# Altium PCB 13th_motor - 完成.PcbDoc
Units mil, origin at the board's own origin, x right, y up, seen from the top; angles counter-clockwise.
Board outline 3425.2 x 2086.62 mil, 2 copper layers (Top Layer, Bottom Layer); 58 components, 42 nets, 176 pads, 45 vias.
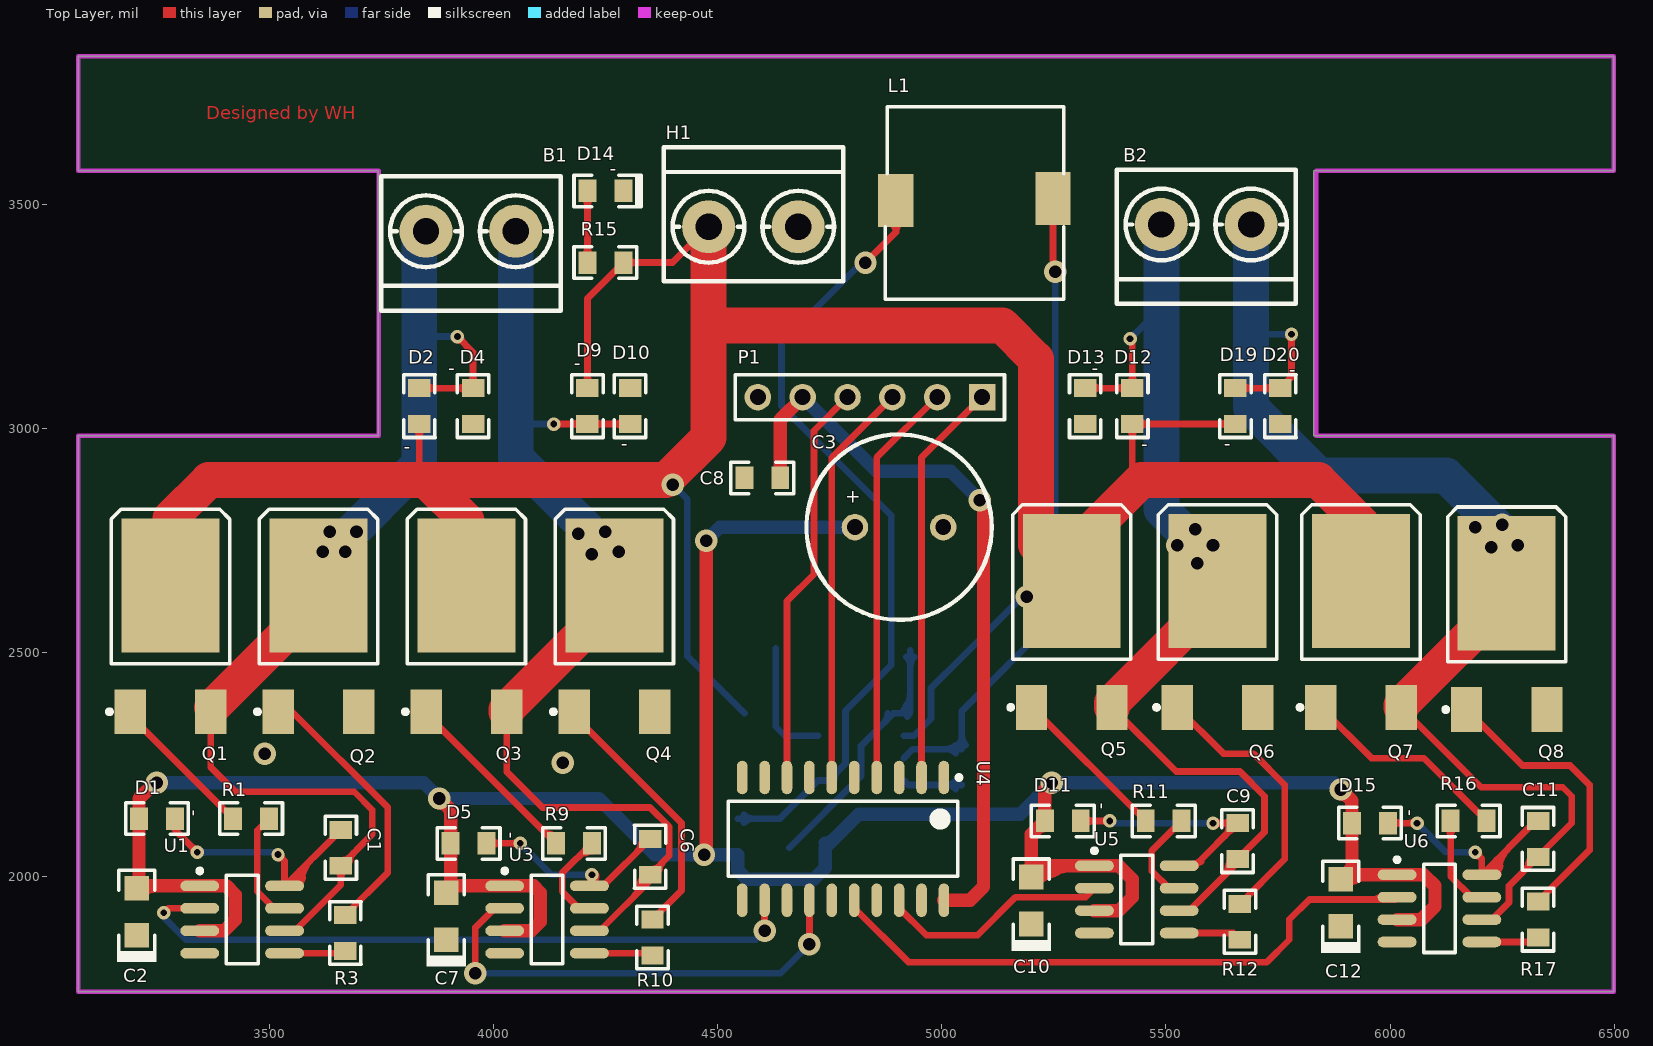
[diagram p0: Top Layer view]
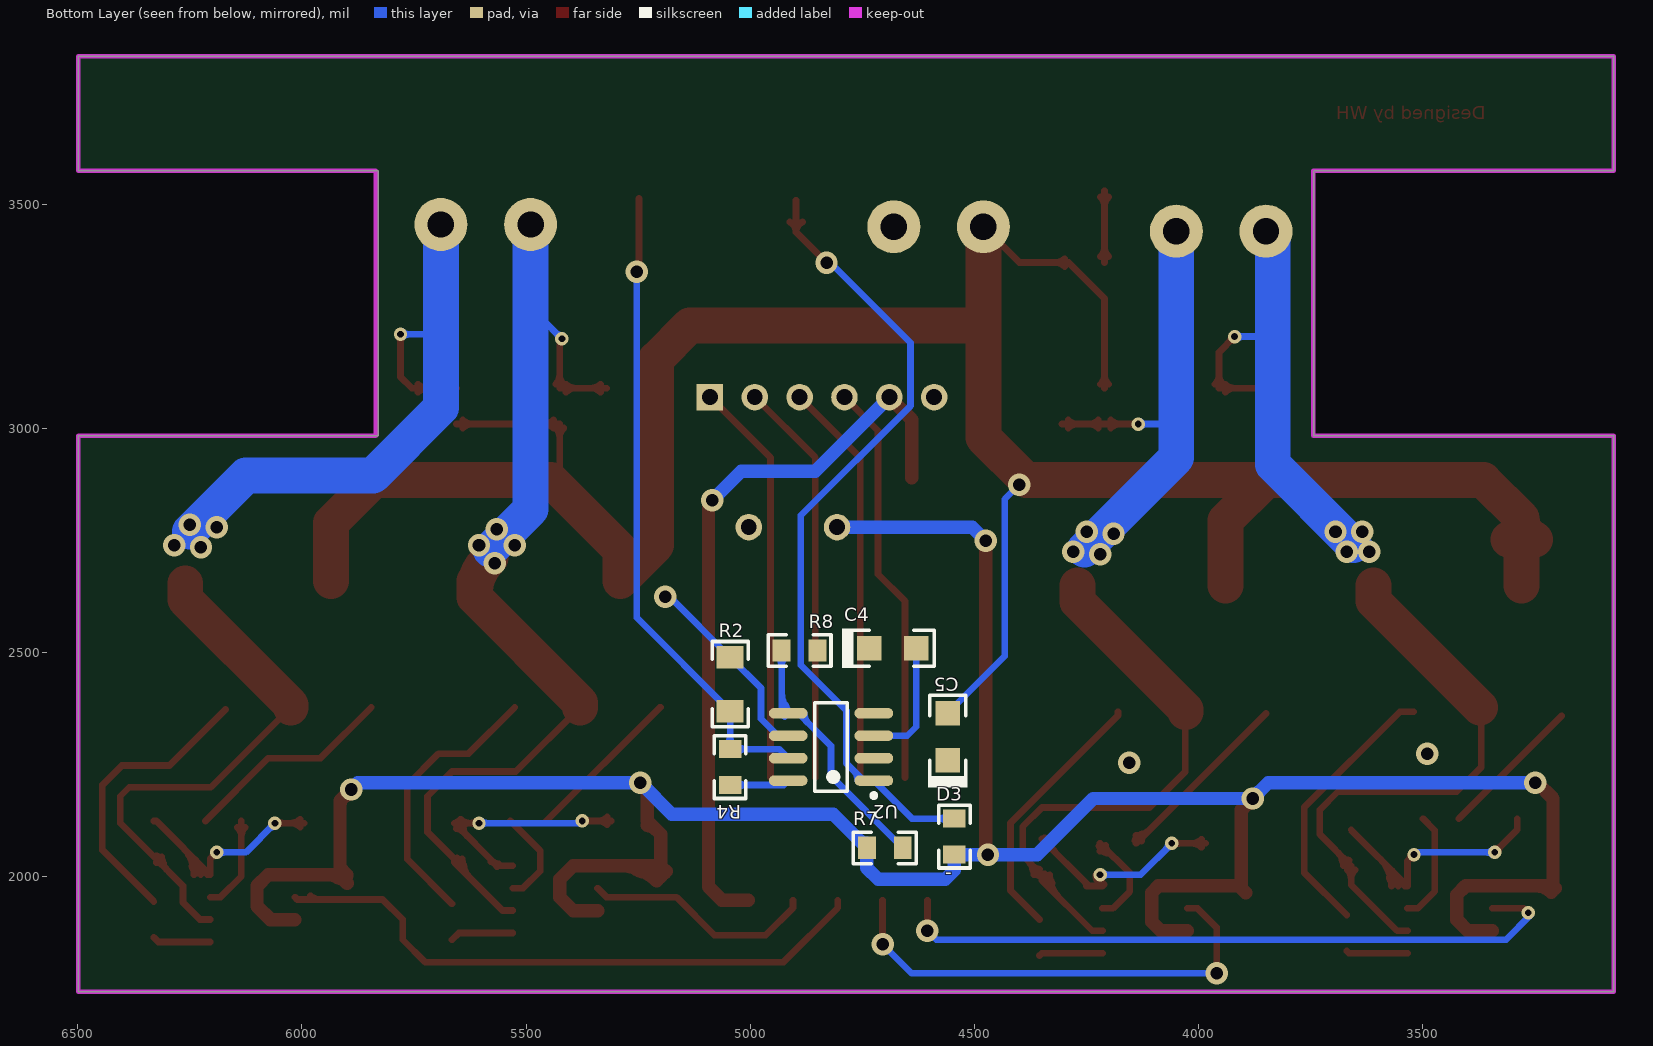
[diagram p1: Bottom Layer view, seen from below]

## Layer stack, top to bottom
Top Layer: signal copper 1.4
Dielectric: dielectric 12.6, FR-4, Dk 4.8
Bottom Layer: signal copper 1.4

## Board outline
3073.98,1744.11 3073.98,2984.26 3743.27,2984.26 3743.27,3574.82 3073.98,3574.82 3073.98,3830.72 6499.18,3830.72 6499.18,3574.82 5829.89,3574.82 5829.89,2984.26 6499.18,2984.26 6499.18,1744.11

## Design rules (kind name [scope] priority, off if disabled: settings)
Clearance [All] p1: gap=10
PolygonConnect [All] p1: connectstyle=Relief reliefconductorwidth=10 reliefentries=4 polygonreliefangle="90 Angle" airgapwidth=10
RoutingVias [All] p1: holewidth=28 width=50 viastyle="Through Hole" minholewidth=28 minwidth=50 maxholewidth=28 maxwidth=50
SolderMaskExpansion [All] p1: expansion=4
Width [All] p1: maxlimit=80 minlimit=15 preferedwidth=15 checkconnectedcopper=TRUE
28 further rules are at their usual default settings.

## Components (designator, comment, footprint, x,y, rotation, side; value= is the part's Value field where it differs from the comment)
B1 "Motor" KF301-2P 3950,3440 r270 top
B2 "Motor" KF301-2P 5590,3455 r270 top
C1 "Cap" 0805(2012) 3660,2065 r270 top
C2 "Cap Pol1" SOD-323(0805) 3205,1920 r270 top
C3 "Cap Pol1" RB5-10.5 4905,2780 r0 top
C4 "Cap Pol1" SOD-323(0805) 4685,2510 r0 bottom
C5 "Cap Pol1" SOD-323(0805) 4560,2310 r270 bottom
C6 "Cap" 0805(2012) 4350,2045 r270 top
C7 "Cap Pol1" SOD-323(0805) 3895,1910 r270 top
C8 "Cap" 0805(2012) 4600,2890 r0 top
C9 "Cap" 0805(2012) 5660,2080 r270 top
C10 "Cap Pol1" SOD-323(0805) 5200,1945 r270 top
C11 "Cap" 0805(2012) 6330,2085 r270 top
C12 "Cap Pol1" SOD-323(0805) 5890,1940 r270 top
D1 "1N5819" 0805(2012) 3250,2130 r180 top
D2 "1N5819" 0805(2012) 3835,3050 r90 top
D3 "1N5819" 0805(2012) 4545,2090 r90 bottom
D4 "1N5819" 0805(2012) 3955,3050 r270 top
D5 "1N5819" 0805(2012) 3945,2075 r180 top
D9 "1N5819" 0805(2012) 4210,3050 r270 top
D10 "1N5819" 0805(2012) 4305,3050 r90 top
D11 "1N5819" 0805(2012) 5270,2125 r180 top
D12 "1N5819" 0805(2012) 5425,3050 r90 top
D13 "1N5819" 0805(2012) 5320,3050 r270 top
D14 "RED" 0805LED 4250,3530 r0 top
D15 "1N5819" 0805(2012) 5955,2120 r180 top
D19 "1N5819" 0805(2012) 5655,3050 r90 top
D20 "1N5819" 0805(2012) 5755,3050 r270 top
H1 "POWER IN" KF301-2P 4580,3450 r90 top
L1 "Inductor" 电感10*12 5075,3505 r180 top
P1 "PWM" HDR1X6 5090,3070 r180 top
Q1 "IR7843" LR7843 3280,2510 r270 top
Q2 "IR7843" LR7843 3610,2510 r270 top
Q3 "IR7843" LR7843 3940,2510 r270 top
Q4 "IR7843" LR7843 4270,2510 r270 top
Q5 "IR7843" LR7843 5290,2520 r270 top
Q6 "IR7843" LR7843 5615,2520 r270 top
Q7 "IR7843" LR7843 5935,2520 r270 top
Q8 "IR7843" LR7843 6260,2515 r270 top
R1 "Res2" 0805(2012) 3460,2130 r180 top
R2 "Res2" 1206(3216) 5045,2430 r90 bottom
R3 "Res2" 0805(2012) 3670,1875 r90 top
R4 "Res2" 0805(2012) 5045,2245 r90 bottom
R7 "Res2" 0805(2012) 4700,2065 r180 bottom
R8 "Res2" 0805(2012) 4890,2505 r0 bottom
R9 "Res2" 0805(2012) 4180,2075 r180 top
R10 "Res2" 0805(2012) 4355,1865 r90 top
R11 "Res2" 0805(2012) 5495,2125 r180 top
R12 "Res2" 0805(2012) 5665,1900 r90 top
R15 "Res2" 0805(2012) 4250,3370 r180 top
R16 "Res2" 0805(2012) 6175,2125 r0 top
R17 "Res2" 0805(2012) 6330,1905 r90 top
U1 "IR2104  S" IR2104S 3440,1905 r0 top
U2 "MC34063" MC34063 4820,2290 r0 bottom
U3 "IR2104  S" IR2104S 4120,1905 r0 top
U4 "74ls244" 74ls244Da 4780,2085 r270 top
U5 "IR2104  S" IR2104S 5435,1950 r0 top
U6 "IR2104  S" IR2104S 6110,1930 r0 top

## Footprints (in the part's own frame and the unit in brackets; to place one, negate y for a bottom-side part, rotate by r counter-clockwise, add the part's x,y. Pads: shape width x height; smd on the part's side, far side on the other; paste and mask are expansions set on the pad)
74ls244Da [mm] "SOP, 20-Leads, Body 12.80x5.50mm, Pitch 1.27mm, IPC Medium Density"
  oval 1.9x0.6 smd: 1(-3.475,5.715) 2(-3.475,4.445) 3(-3.475,3.175) 4(-3.475,1.905) 5(-3.475,0.635) 6(-3.475,-0.635) 7(-3.475,-1.905) 8(-3.475,-3.175) 9(-3.475,-4.445) 10(-3.475,-5.715) 11(3.475,-5.715) 12(3.475,-4.445) 13(3.475,-3.175) 14(3.475,-1.905) 15(3.475,-0.635) 16(3.475,0.635) 17(3.475,1.905) 18(3.475,3.175) 19(3.475,4.445) 20(3.475,5.715)
  silkscreen extent -3.6,-6.5 2.13,6.69, body extent -2.8,-6.5 2.8,6.5, height 2.2
0805(2012) [mil]
  rect 40x50 smd: 1(-40,0) 2(40,0)
  silkscreen extent -70,-35 70,35
0805LED [mil]
  rect 40x50 smd: 1(-40,0) 2(40,0)
  silkscreen extent -70,-35 80,35
1206(3216) [mil]
  rect 50x60 smd: 1(-60,0) 2(60,0)
  silkscreen extent -95,-40 95,40
HDR1X6 [mm] "Connector; Header; 6 Position"
  rect 1.5x1.5 hole 0.9: 1(0,0)
  round 1.5 hole 0.9: 2(2.54,0) 3(5.08,0) 4(7.62,0) 5(10.16,0) 6(12.7,0)
  silkscreen extent -1.27,-1.27 13.97,1.27
IR2104S [mm]
  oval 2.2x0.6 smd: 1(-2.4,1.905) 2(-2.4,0.635) 3(-2.4,-0.635) 4(-2.4,-1.905) 5(2.4,-1.905) 6(2.4,-0.635) 7(2.4,0.635) 8(2.4,1.905)
  silkscreen extent -2.52,-2.5 0.9,2.88, body extent -2,-2.5 2,2.5, height 1.55
KF301-2P [mm]
  round 3 hole 1.5: 1(0,-2.54) 2(0,2.54)
  silkscreen extent -3.1,-5.08 4.5,5.08
LR7843 [mm]
  rect 2.54x1.778 smd: 1(3.6,-2.28) 3(3.6,2.28)
  rect 7.6x5.55 smd: 2(-3.556,0)
  silkscreen extent -7.87,-3.58 3.72,3.35
MC34063 [mm] "SOIC, 8-Leads, Body 4.90x3.90mm, Pitch 1.27mm, IPC Medium Density"
  oval 2.2x0.6 smd: 1(-2.425,1.905) 2(-2.425,0.635) 3(-2.425,-0.635) 4(-2.425,-1.905) 5(2.425,-1.905) 6(2.425,-0.635) 7(2.425,0.635) 8(2.425,1.905)
  silkscreen extent -2.55,-2.5 0.93,2.88, body extent -2,-2.5 2,2.5, height 1.5
RB5-10.5 [mm] "Capacitor (Radial); 2 Leads"
  round 1.5 hole 0.9: 1(-2.5,0) 2(2.5,0)
  silkscreen extent -5.25,-5.25 5.25,5.25
SOD-323(0805) [mil]
  rect 55x55 smd: 1(-55,0) 2(50,0)
  silkscreen extent -95,-44 110,44
电感10*12 [mm]
  rect 2x3 smd: 1(-4.4,-0.2) 2(4.5,-0.1)
  silkscreen extent -5,-5.4 5.1,5.5

## Part data
B1 B2: library part "Motor Servo", "Servo Motor"
C1 C6 C8 C9 C11: "Capacitor"
C2 C3 C4 C5 C7 C10 C12: "Polarized Capacitor (Radial)"
D1 D2 D3 D4 D5 D9 D10 D11 D12 D13 D15 D19 D20: library part 1N4148, "Silicon Epitaxial Planar Diode for Various Detector, Modulator, Demodulator"
D14: library part LED2, "Typical RED, GREEN, YELLOW, AMBER GaAs LED"
Q1 Q2 Q3 Q4 Q5 Q6 Q7 Q8: "N-Channel Power MOSFET"
R1 R2 R3 R4 R7 R8 R9 R10 R11 R12 R15 R16 R17: "Resistor"
U2: library part Component_1

## Via types
v1: diameter 50, hole 28, Top Layer to Bottom Layer, 32 vias
v2: diameter 30, hole 15, Top Layer to Bottom Layer, 13 vias

## Nets (pads, with @x,y where several pads share a name; then routed paths per layer and width w, separated by ;. In a path a pad name is that pad's centre, name@x,y a point inside that pad or via, vN(x,y) a via of type N, cw(c..) or ccw(c..) an arc to the next point about the centre after c; other vN are vias at no path point)
5V: C8.2 P1.5 U4.20 | length 1666.8
  Top Layer w30: C8.2 4640,3020 P1.5 ; U4.20 5063.19,1948.19 5093.19,1978.19 5093.19,2841.81 5090,2845 v1(5085,2840)
  Bottom Layer w30: P1.5 4855,2905 5020,2905 v1(5085,2840)
12V: C2.1 C3.1 C7.1 C10.1 C12.1 D1.2 D3.1 D5.2 D11.2 D15.2 R7.1 U1.1 U1.3 U3.1 U3.3 U5.1 U5.3 U6.1 U6.3 | length 7130.1
  Top Layer w30: C2.1 C2.1@3210,1980 ; v1(3250,2210) 3245,2210 3210,2175 D1.2 C2.1@3210,1980 ; U1.3 3400,1880 3425,1905 3425,1960 3405,1980 U1.1 C2.1@3210,1980 ; v1(3880,2175) 3905,2150 D5.2 C7.1@3905,1975 ; C7.1 C7.1@3905,1975 ; U3.3 4085,1880 4105,1900 4105,1965 4090,1980 U3.1 3910,1980 C7.1@3905,1975 ; v1(4470,2050) 4475,2055 v1(4475,2750) ; C10.1@5203.72,2011.93 ccw(c5222.72,2072.78) 5254.59,2017.58 ; v1(5245,2210) 5230,2195 D11.2 5200,2095 C10.1 5225,2025 U5.1 5395,2025 5425,1995 5425,1955 5395,1925 U5.3 ; v1(5890,2195) 5915,2170 D15.2 5915,2020 5900,2005 U6.1 6075,2005 6100,1980 6100,1935 6070,1905 U6.3 ; C12.1@5899.5,2003.12 ccw(c5912.85,2014.53) 5921.64,1999.32 ; 5200,2030.18 ccw(c5230.18,2030.18) 5208.84,2008.84 cw(c5230.18,2030.18) 5200,2030.18 ; 5200,2030.18 cw(c5169.82,2030.18) 5191.16,2008.84 ccw(c5169.82,2030.18) 5200,2030.18 ; C2.1@3213.84,1966.16 cw(c3247.25,1932.75) 3247.25,1980 ccw(c3247.25,1932.75) C2.1@3213.84,1966.16 ; v1@3879.9,2165 cw(c3879.64,2139.65) 3905,2139.65 ccw(c3879.64,2139.65) v1@3879.9,2165 ; C10.1@5187.63,2012.37 cw(c5218.11,1981.89) 5218.11,2025 ccw(c5218.11,1981.89) C10.1@5187.63,2012.37 ; C10.1@5208.84,1991.16 cw(c5290.53,1909.47) 5290.53,2025 ccw(c5290.53,1909.47) C10.1@5208.84,1991.16 ; D11.2@5212.93,2107.93 cw(c5230,2090.86) 5230,2115 ccw(c5230,2090.86) D11.2@5212.93,2107.93 ; v1@5889.9,2185 cw(c5889.64,2159.65) 5915,2159.65 ccw(c5889.64,2159.65) v1@5889.9,2185 ; C12.1@5898.84,1986.16 cw(c5944.32,1940.68) 5944.32,2005 ccw(c5944.32,1940.68) C12.1@5898.84,1986.16
  Bottom Layer w30: v1(3250,2210) 3845,2210 v1(3880,2175) 4235,2175 4360,2050 v1(4470,2050) D3.1 4545,2015 4565,1995 4715,1995 4740,2020 R7.1 4815,2140 5175,2140 v1(5245,2210) 5875,2210 v1(5890,2195) ; v1(4475,2750) 4505,2780 C3.1 ; R7.1@4740,2075 ccw(c4740,2099.14) 4757.07,2082.07 cw(c4740,2099.14) R7.1@4740,2075
GND: C2.2 C3.2 C4.2 C5.2 C7.2 C8.1 C10.2 C12.2 D4.2 D10.2 D13.2 D14.2 D20.2 H1.1 P1.6 Q2.3 Q4.3 Q6.3 Q8.3 R8.1 U1.4 U2.2 U2.4 U3.4 U4.1 U4.3 U4.5 U4.7 U4.9 U4.10 U4.11 U4.13 U4.15 U4.17 U4.19 U5.4 U6.4
  other v1: 4155,2255 3490,2275
"MOTOR1 IN1": U4.18 U5.2 | length 521.4
  Top Layer w15: U4.18 4905,1931.15 4966.15,1870 5080,1870 5165,1955 5320.51,1955 U5.2
"MOTOR1 IN2": U4.16 U6.2 | length 1418.7
  Top Layer w15: U4.16 4805,1931.15 4926.15,1810 5725,1810 5775,1860 5775,1905 5820,1950 6010.51,1950 U6.2 ; 5970.73,1952.14 cw(c5975.63,1943.65) U6.2@5981.45,1951.53 ; 5961.54,1950 ccw(c5961.54,1977.48) 5980.97,1958.05 cw(c5961.54,1977.48) 5961.54,1950
"MOTOR1 IN3": U3.2 U4.14 | length 1055.7
  Top Layer w15: v1(3960,1785) 3960,1887.44 4002.56,1930 U3.2 ; v1(4705,1850) U4.14
  Bottom Layer w15: v1(3960,1785) 4640,1785 v1(4705,1850)
"MOTOR1 IN4": U1.2 U4.12 | length 1613.8
  Top Layer w15: v2(3265,1920) 3275,1930 U1.2 ; v1(4605,1880) U4.12
  Bottom Layer w15: v2(3265,1920) v2@3260,1915 ; v1(4605,1880) 4585,1860 3315,1860 ; v2@3260,1915 3315,1860 ; v2@3260,1915 3315,1860
NetB1_1: B1.1 C1.2 D2.2 D4.1 Q1.3 Q2.2 U1.6 | length 3085.2
  Top Layer w15: Q1.3 3369.76,2245.24 3425,2190 3690,2190 3730,2150 3730,2095 C1.2 3660,1982.56 3557.44,1880 U1.6 ; C1.2@3665.81,2022.63 ccw(c3658.05,2045.42) C1.2@3681.3,2039.19 ; D2.2 D4.1 3955,3170 v2(3920,3205) ; 3660,1994.82 ccw(c3629.82,1994.82) 3651.16,2016.16 cw(c3629.82,1994.82) 3660,1994.82 ; 3660,1994.82 cw(c3690.18,1994.82) 3668.84,2016.16 ccw(c3690.18,1994.82) 3660,1994.82 ; 3870.18,3090 ccw(c3870.18,3059.82) 3848.84,3081.16 cw(c3870.18,3059.82) 3870.18,3090 ; 3870.18,3090 cw(c3870.18,3120.18) 3848.84,3098.84 ccw(c3870.18,3120.18) 3870.18,3090 ; 3919.82,3090 ccw(c3919.82,3120.18) 3941.16,3098.84 cw(c3919.82,3120.18) 3919.82,3090 ; 3919.82,3090 cw(c3919.82,3059.82) 3941.16,3081.16 ccw(c3919.82,3059.82) 3919.82,3090 ; 3932.8,3192.2 ccw(c3920,3179.39) 3920,3197.5 cw(c3920,3179.39) 3932.8,3192.2 ; 3932.8,3192.2 cw(c3945.61,3205) 3927.5,3205 ccw(c3945.61,3205) 3932.8,3192.2 ; 3955,3120.18 ccw(c3985.18,3120.18) 3963.84,3098.84 cw(c3985.18,3120.18) 3955,3120.18 ; 3955,3120.18 cw(c3924.82,3120.18) 3946.16,3098.84 ccw(c3924.82,3120.18) 3955,3120.18 ; C1.2@3665,2037.5 ccw(c3665,2055.61) 3677.8,2042.8 cw(c3665,2055.61) C1.2@3665,2037.5 ; C1.2@3677.5,2025 cw(c3719.75,2025) 3689.87,2054.87 ccw(c3719.75,2025) C1.2@3677.5,2025
  Top Layer w80: Q1.3@3372.5,2377.5 3610,2615 Q2.2
  Bottom Layer w15: 3835,3205 v2(3920,3205) ; 3901.89,3205 ccw(c3901.89,3223.11) 3914.7,3210.3 cw(c3901.89,3223.11) 3901.89,3205 ; 3901.89,3205 cw(c3901.89,3186.89) 3914.7,3199.7 ccw(c3901.89,3186.89) 3901.89,3205
  Bottom Layer w80: 3655,2745 v1@3655,2740 ; B1.1 3835,3425 3835,2920 v1@3657.5,2742.5 ; v1@3655,2740 v1@3657.5,2742.5 ; v1@3655,2740 v1@3657.5,2742.5 ; v1@3657.5,2742.5 v1@3660,2745 ; v1@3657.5,2742.5 v1@3660,2745 ; v1@3660,2745 3690,2775 v1@3660,2745
  other v1: 3620,2725 3670,2725 3635,2770 3695,2770
NetB1_2: B1.2 C6.2 D9.2 D10.1 Q3.3 Q4.2 U3.6 | length 3810.8
  Top Layer w15: Q3.3 4029.76,2235.24 4110,2155 4349.75,2155 4392.5,2112.25 4392.5,2047.5 C6.2 4350,1992.56 4237.44,1880 U3.6 ; v2(4135,3010) D9.2 D10.1 ; C6.2@4327.36,1985.8 cw(c4361.34,1976.69) C6.2@4343.75,2007.17 ; C6.2@4355.81,2002.63 ccw(c4348.05,2025.42) C6.2@4371.3,2019.19 ; 4153.11,3010 ccw(c4153.11,2991.89) 4140.3,3004.7 cw(c4153.11,2991.89) 4153.11,3010 ; 4153.11,3010 cw(c4153.11,3028.11) 4140.3,3015.3 ccw(c4153.11,3028.11) 4153.11,3010 ; 4174.82,3010 ccw(c4174.82,3040.18) 4196.16,3018.84 cw(c4174.82,3040.18) 4174.82,3010 ; 4174.82,3010 cw(c4174.82,2979.82) 4196.16,3001.16 ccw(c4174.82,2979.82) 4174.82,3010 ; 4245.18,3010 ccw(c4245.18,2979.82) 4223.84,3001.16 cw(c4245.18,2979.82) 4245.18,3010 ; 4245.18,3010 cw(c4245.18,3040.18) 4223.84,3018.84 ccw(c4245.18,3040.18) 4245.18,3010 ; 4269.82,3010 ccw(c4269.82,3040.18) 4291.16,3018.84 cw(c4269.82,3040.18) 4269.82,3010 ; 4269.82,3010 cw(c4269.82,2979.82) 4291.16,3001.16 ccw(c4269.82,2979.82) 4269.82,3010 ; 4311.33,1953.9 ccw(c4260.23,2005) 4332.5,2005 cw(c4260.23,2005) 4311.33,1953.9 ; 4336.94,1979.5 ccw(c4311.44,2005) 4347.5,2005 cw(c4311.44,2005) 4336.94,1979.5 ; C6.2@4355,2017.5 ccw(c4355,2035.61) 4367.8,2022.8 cw(c4355,2035.61) C6.2@4355,2017.5 ; C6.2@4367.5,2005 cw(c4409.75,2005) 4379.87,2034.87 ccw(c4409.75,2005) C6.2@4367.5,2005
  Top Layer w80: Q3.3 4029.76,2373.51 4270,2613.74 Q4.2
  Bottom Layer w15: 4050,3020 4060,3010 v2(4135,3010) ; 4116.89,3010 ccw(c4116.89,3028.11) 4129.7,3015.3 cw(c4116.89,3028.11) 4116.89,3010 ; 4116.89,3010 cw(c4116.89,2991.89) 4129.7,3004.7 ccw(c4116.89,2991.89) 4116.89,3010
  Bottom Layer w80: 4050,2935 4255,2730 4050,2935 ; 4050,2935 B1.2 4050,2935
  other v1: 4220,2720 4280,2725 4190,2765 4250,2770
NetB2_1: B2.1 C9.2 D12.2 D13.1 Q5.3 Q6.2 U5.6 | length 3030.7
  Top Layer w15: D13.1 D12.2 5425,3195 v2(5420,3200) ; Q5.3 5523.03,2235 5665,2235 5720,2180 5720,2100 C9.2 5660,2032.56 5552.44,1925 U5.6 ; C9.2@5637.76,2022.31 cw(c5668.22,2014.15) C9.2@5653.86,2042.23 ; 5355.18,3090 ccw(c5355.18,3059.82) 5333.84,3081.16 cw(c5355.18,3059.82) 5355.18,3090 ; 5355.18,3090 cw(c5355.18,3120.18) 5333.84,3098.84 ccw(c5355.18,3120.18) 5355.18,3090 ; 5389.82,3090 ccw(c5389.82,3120.18) 5411.16,3098.84 cw(c5389.82,3120.18) 5389.82,3090 ; 5389.82,3090 cw(c5389.82,3059.82) 5411.16,3081.16 ccw(c5389.82,3059.82) 5389.82,3090 ; 5425,3120.18 ccw(c5455.18,3120.18) 5433.84,3098.84 cw(c5455.18,3120.18) 5425,3120.18 ; 5425,3120.18 cw(c5394.82,3120.18) 5416.16,3098.84 ccw(c5394.82,3120.18) 5425,3120.18 ; 5624.87,1997.43 ccw(c5582.3,2040) 5642.5,2040 cw(c5582.3,2040) 5624.87,1997.43
  Top Layer w80: Q5.3 5379.76,2388.51 5615,2623.74 Q6.2 ; Q6.2@5579.03,2711.98 cw(c5524.59,2639.8) 5615,2639.8 ccw(c5524.59,2639.8) Q6.2@5579.03,2711.98 ; Q6.2@5580.61,2710.61 cw(c5497.57,2627.57) 5615,2627.57 ccw(c5497.57,2627.57) Q6.2@5580.61,2710.61
  Bottom Layer w15: v2(5420,3200) 5465,3245 5490,3245 ; 5432.8,3212.8 ccw(c5445.61,3200) 5427.5,3200 cw(c5445.61,3200) 5432.8,3212.8 ; 5432.8,3212.8 cw(c5420,3225.61) 5420,3207.5 ccw(c5420,3225.61) 5432.8,3212.8
  Bottom Layer w80: B2.1 5490,2820 5580,2730
  other v1: 5570,2700 5525,2740 5605,2740 5565,2775
NetB2_2: B2.2 C11.2 D19.2 D20.1 Q7.3 Q8.2 U6.6 | length 3037.4
  Top Layer w15: D19.2 D20.1 5780,3115 v2(5780,3210) ; Q7.3 6203.03,2200 6385,2200 6405,2180 6405,2120 C11.2 6265.3,1980.3 6265.3,1942.86 6227.44,1905 U6.6 ; C11.2@6308.7,2030.81 cw(c6331.95,2024.58) C11.2@6324.19,2047.37 ; 5690.18,3090 ccw(c5690.18,3059.82) 5668.84,3081.16 cw(c5690.18,3059.82) 5690.18,3090 ; 5690.18,3090 cw(c5690.18,3120.18) 5668.84,3098.84 ccw(c5690.18,3120.18) 5690.18,3090 ; 5719.82,3090 ccw(c5719.82,3120.18) 5741.16,3098.84 cw(c5719.82,3120.18) 5719.82,3090 ; 5719.82,3090 cw(c5719.82,3059.82) 5741.16,3081.16 ccw(c5719.82,3059.82) 5719.82,3090 ; 5780,3191.89 ccw(c5761.89,3191.89) 5774.7,3204.7 cw(c5761.89,3191.89) 5780,3191.89 ; 5780,3191.89 cw(c5798.11,3191.89) 5785.3,3204.7 ccw(c5798.11,3191.89) 5780,3191.89 ; 6300.13,2015.13 ccw(c6270.25,2045) 6312.5,2045 cw(c6270.25,2045) 6300.13,2015.13 ; C11.2@6312.2,2027.2 cw(c6325,2014.39) 6325,2032.5 ccw(c6325,2014.39) C11.2@6312.2,2027.2
  Top Layer w80: Q7.3 6024.76,2383.51 6260,2618.74 Q8.2
  Bottom Layer w15: 5690,3220 5700,3210 v2(5780,3210) ; 5761.89,3210 ccw(c5761.89,3228.11) 5774.7,3215.3 cw(c5761.89,3228.11) 5761.89,3210 ; 5761.89,3210 cw(c5761.89,3191.89) 5774.7,3204.7 ccw(c5761.89,3191.89) 5761.89,3210
  Bottom Layer w80: B2.2 5690,3046.37 5841.37,2895 6125,2895 v1@6250,2770
  other v1: 6225,2735 6285,2740 6190,2780 6250,2785
NetC1_1: C1.1 D1.1 U1.8 | length 952
  Top Layer w15: D1.1 3290,2105 v2(3340,2055) ; v2(3520,2050) 3534.49,2035.51 U1.8 3535,1980 C1.1 ; U1.8@3563.83,1983.73 ccw(c3551.52,2005.06) 3575.3,1998.69 ; 3327.2,2067.8 ccw(c3340,2080.61) 3340,2062.5 cw(c3340,2080.61) 3327.2,2067.8 ; 3327.2,2067.8 cw(c3314.39,2055) 3332.5,2055 ccw(c3314.39,2055) 3327.2,2067.8 ; 3532.8,2037.2 ccw(c3520,2024.39) 3520,2042.5 cw(c3520,2024.39) 3532.8,2037.2 ; 3532.8,2037.2 cw(c3545.61,2050) 3527.5,2050 ccw(c3545.61,2050) 3532.8,2037.2 ; U1.8@3540.3,1980 cw(c3553.08,1980) 3544.04,1989.04 ccw(c3553.08,1980) U1.8@3540.3,1980 ; U1.8@3555.3,1980 cw(c3604.29,1980) 3569.65,2014.65 ccw(c3604.29,1980) U1.8@3555.3,1980 ; U1.8@3570.3,1980 cw(c3655.51,1980) 3595.25,2040.25 ccw(c3655.51,1980) U1.8@3570.3,1980
  Bottom Layer w15: v2(3340,2055) 3515,2055 v2(3520,2050) ; 3358.11,2055 ccw(c3358.11,2036.89) 3345.3,2049.7 cw(c3358.11,2036.89) 3358.11,2055 ; 3358.11,2055 cw(c3358.11,2073.11) 3345.3,2060.3 ccw(c3358.11,2073.11) 3358.11,2055
NetC4_1: C4.1 U2.3 | length 277.8
  Bottom Layer w15: C4.1 4630,2335 4650,2315 U2.3
NetC6_1: C6.1 D5.1 U3.8 | length 1228.8
  Top Layer w15: D5.1 v2(4060,2075) ; v2@4214.27,2000.16 cw(c4205.36,1992.65) 4216.61,1989.64 cw(c4230.21,1985.99) v2@4223.55,1998.39 ; v2@4217.8,1994.07 ccw(c4227.52,1988.45) U3.8@4218.11,1982.35 ; U3.8@4218.48,1981.63 cw(c4227.3,1985.23) v2@4220.57,1991.97 ; v2(4220,2005) 4220,1985.51 U3.8 ; C6.1@4328.7,2070.81 cw(c4351.95,2064.58) C6.1@4344.19,2087.37 ; C6.1 4245,1980 U3.8 ; 4015.18,2075 ccw(c4015.18,2044.82) 3993.84,2066.16 cw(c4015.18,2044.82) 4015.18,2075 ; 4015.18,2075 cw(c4015.18,2105.18) 3993.84,2083.84 ccw(c4015.18,2105.18) 4015.18,2075 ; 4041.89,2075 ccw(c4041.89,2093.11) 4054.7,2080.3 cw(c4041.89,2093.11) 4041.89,2075 ; 4041.89,2075 cw(c4041.89,2056.89) 4054.7,2069.7 ccw(c4041.89,2056.89) 4041.89,2075 ; U3.8 ccw(c4204.53,1989.95) 4214.62,1999.77 cw(c4204.53,1989.95) U3.8 ; U3.8@4216.23,1989.66 ccw(c4204.31,1992.85) 4214.07,2000.41 cw(c4204.31,1992.85) U3.8@4216.23,1989.66 ; U3.8@4216.23,1989.66 cw(c4229.26,1986.17) 4223.31,1998.27 ccw(c4229.26,1986.17) U3.8@4216.23,1989.66 ; U3.8@4220,1986.89 ccw(c4201.89,1986.89) 4214.7,1999.7 cw(c4201.89,1986.89) U3.8@4220,1986.89 ; U3.8@4220,1986.89 cw(c4238.11,1986.89) 4225.3,1999.7 ccw(c4238.11,1986.89) U3.8@4220,1986.89 ; U3.8@4211.44,1983.05 ccw(c4190.77,2003.71) 4220,2003.71 cw(c4190.77,2003.71) U3.8@4211.44,1983.05 ; U3.8@4212.33,1983.73 ccw(c4201.09,2003.21) 4222.81,1997.39 cw(c4201.09,2003.21) U3.8@4212.33,1983.73 ; U3.8@4213.37,1984.16 ccw(c4207.2,2007.2) 4227.85,1995.27 cw(c4207.2,2007.2) U3.8@4213.37,1984.16 ; U3.8@4225.24,1990.75 ccw(c4215.44,2000.56) 4225.38,2010.23 cw(c4215.44,2000.56) U3.8@4225.24,1990.75 ; U3.8@4250.3,1980 cw(c4263.08,1980) 4254.04,1989.04 ccw(c4263.08,1980) U3.8@4250.3,1980 ; 4320.13,2055.13 ccw(c4290.25,2085) 4332.5,2085 cw(c4290.25,2085) 4320.13,2055.13 ; C6.1@4332.2,2067.2 cw(c4345,2054.39) 4345,2072.5 ccw(c4345,2054.39) C6.1@4332.2,2067.2
  Bottom Layer w15: v2(4060,2075) 4130,2005 v2(4220,2005) ; 4072.8,2062.2 ccw(c4060,2049.39) 4060,2067.5 cw(c4060,2049.39) 4072.8,2062.2 ; 4072.8,2062.2 cw(c4085.61,2075) 4067.5,2075 ccw(c4085.61,2075) 4072.8,2062.2 ; 4201.89,2005 ccw(c4201.89,2023.11) 4214.7,2010.3 cw(c4201.89,2023.11) 4201.89,2005 ; 4201.89,2005 cw(c4201.89,1986.89) 4214.7,1999.7 ccw(c4201.89,1986.89) 4201.89,2005
NetC9_1: C9.1 D11.1 U5.8 | length 1049.7
  Top Layer w15: D11.1 v2(5375,2125) ; U5.8 5565,2025 C9.1 v2(5605,2120) ; U5.8@5564.85,2023.09 cw(c5583.34,2013.94) 5578,2033.87 ; C9.1@5638.7,2105.81 cw(c5661.95,2099.58) C9.1@5654.19,2122.37 ; 5340.18,2125 ccw(c5340.18,2094.82) 5318.84,2116.16 cw(c5340.18,2094.82) 5340.18,2125 ; 5340.18,2125 cw(c5340.18,2155.18) 5318.84,2133.84 ccw(c5340.18,2155.18) 5340.18,2125 ; 5356.89,2125 ccw(c5356.89,2143.11) 5369.7,2130.3 cw(c5356.89,2143.11) 5356.89,2125 ; 5356.89,2125 cw(c5356.89,2106.89) 5369.7,2119.7 ccw(c5356.89,2106.89) 5356.89,2125 ; 5623.11,2120 ccw(c5623.11,2101.89) 5610.3,2114.7 cw(c5623.11,2101.89) 5623.11,2120 ; 5623.11,2120 cw(c5623.11,2138.11) 5610.3,2125.3 ccw(c5623.11,2138.11) 5623.11,2120 ; 5624.82,2120 ccw(c5624.82,2150.18) 5646.16,2128.84 cw(c5624.82,2150.18) 5624.82,2120 ; 5624.82,2120 cw(c5624.82,2089.82) 5646.16,2111.16 ccw(c5624.82,2089.82) 5624.82,2120 ; U5.8@5560.98,2029.31 ccw(c5560.98,2049.41) 5575.2,2035.2 cw(c5560.98,2049.41) U5.8@5560.98,2029.31 ; 5630.13,2090.13 ccw(c5600.25,2120) 5642.5,2120 cw(c5600.25,2120) 5630.13,2090.13 ; C9.1@5642.2,2102.2 cw(c5655,2089.39) 5655,2107.5 ccw(c5655,2089.39) C9.1@5642.2,2102.2
  Bottom Layer w15: v2(5375,2125) 5380,2120 v2(5605,2120) ; 5586.89,2120 ccw(c5586.89,2138.11) 5599.7,2125.3 cw(c5586.89,2138.11) 5586.89,2120 ; 5586.89,2120 cw(c5586.89,2101.89) 5599.7,2114.7 ccw(c5586.89,2101.89) 5586.89,2120
NetC11_1: C11.1 D15.1 U6.8 | length 1031.5
  Top Layer w15: D15.1 v2(6060,2120) ; v2(6190,2055) 6204.49,2040.51 U6.8 6324.49,2125 C11.1 ; U6.8@6233.83,2008.73 ccw(c6221.52,2030.06) 6245.3,2023.69 ; 6025.18,2120 ccw(c6025.18,2089.82) 6003.84,2111.16 cw(c6025.18,2089.82) 6025.18,2120 ; 6025.18,2120 cw(c6025.18,2150.18) 6003.84,2128.84 ccw(c6025.18,2150.18) 6025.18,2120 ; 6041.89,2120 ccw(c6041.89,2138.11) 6054.7,2125.3 cw(c6041.89,2138.11) 6041.89,2120 ; 6041.89,2120 cw(c6041.89,2101.89) 6054.7,2114.7 ccw(c6041.89,2101.89) 6041.89,2120 ; 6202.8,2042.2 ccw(c6190,2029.39) 6190,2047.5 cw(c6190,2029.39) 6202.8,2042.2 ; 6202.8,2042.2 cw(c6215.61,2055) 6197.5,2055 ccw(c6215.61,2055) 6202.8,2042.2 ; U6.8@6210.3,2005 cw(c6224.31,2005) 6214.4,2014.91 ccw(c6224.31,2005) U6.8@6210.3,2005 ; U6.8@6225.3,2005 cw(c6275.53,2005) 6240.01,2040.52 ccw(c6275.53,2005) U6.8@6225.3,2005 ; U6.8@6240.3,2005 cw(c6326.74,2005) 6265.61,2066.13 ccw(c6326.74,2005) U6.8@6240.3,2005
  Bottom Layer w15: v2(6060,2120) 6125,2055 v2(6190,2055) ; 6072.8,2107.2 ccw(c6060,2094.39) 6060,2112.5 cw(c6060,2094.39) 6072.8,2107.2 ; 6072.8,2107.2 cw(c6085.61,2120) 6067.5,2120 ccw(c6085.61,2120) 6072.8,2107.2 ; 6171.89,2055 ccw(c6171.89,2073.11) 6184.7,2060.3 cw(c6171.89,2073.11) 6171.89,2055 ; 6171.89,2055 cw(c6171.89,2036.89) 6184.7,2049.7 ccw(c6171.89,2036.89) 6171.89,2055
NetD3_2: D3.2 L1.2 U2.1 | length 2075.2
  Top Layer w15: v1(4830,3370) 4897.83,3437.83 ; L1.2 4897.83,3437.83 ; 4897.83,3437.84 ccw(c4872.3,3437.84) 4883.66,3460.71 cw(c4872.3,3437.84) 4897.83,3437.84 ; 4897.83,3437.84 cw(c4923.37,3437.84) 4912.01,3460.71 ccw(c4923.37,3437.84) 4897.83,3437.84
  Bottom Layer w15: D3.2 4639.53,2130 U2.1 4747.48,2215 4785.34,2252.86 4785.34,2370.59 4887.5,2472.75 4887.5,2805.99 4642.97,3050.52 4642.97,3191.2 v1@4825.89,3374.11 ; U2.1@4753.87,2218.73 ccw(c4741.56,2240.06) 4765.34,2233.69 ; 4580.18,2130 ccw(c4580.18,2099.82) 4558.84,2121.16 cw(c4580.18,2099.82) 4580.18,2130 ; 4580.18,2130 cw(c4580.18,2160.18) 4558.84,2138.84 ccw(c4580.18,2160.18) 4580.18,2130 ; U2.1@4760.34,2215 cw(c4791.38,2215) 4769.43,2236.95 ccw(c4791.38,2215) U2.1@4760.34,2215
NetD14_1: D14.1 R15.2 | length 349.6
  Top Layer w15: R15.2 D14.1 ; 4210,3405.18 ccw(c4240.18,3405.18) 4218.84,3383.84 cw(c4240.18,3405.18) 4210,3405.18 ; 4210,3405.18 cw(c4179.82,3405.18) 4201.16,3383.84 ccw(c4179.82,3405.18) 4210,3405.18 ; 4210,3494.82 ccw(c4179.82,3494.82) 4201.16,3516.16 cw(c4179.82,3494.82) 4210,3494.82 ; 4210,3494.82 cw(c4240.18,3494.82) 4218.84,3516.16 ccw(c4240.18,3494.82) 4210,3494.82
NetL1_1: L1.1 R2.1 R4.2 U2.7 | length 1643.6
  Top Layer w15: L1.1 5248.23,3355 v1(5253.23,3350)
  Bottom Layer w15: U2.7 4935.47,2285 R4.2 R2.1 5253.23,2578.23 v1(5253.23,3350) ; 5009.82,2285 ccw(c5009.82,2315.18) 5031.16,2293.84 cw(c5009.82,2315.18) 5009.82,2285 ; 5009.82,2285 cw(c5009.82,2254.82) 5031.16,2276.16 ccw(c5009.82,2254.82) 5009.82,2285 ; 5045,2315.18 ccw(c5075.18,2315.18) 5053.84,2293.84 cw(c5075.18,2315.18) 5045,2315.18 ; 5045,2315.18 cw(c5014.82,2315.18) 5036.16,2293.84 ccw(c5014.82,2315.18) 5045,2315.18
NetP1_1: P1.1 U4.2 | length 904.1
  Top Layer w15: U4.2 4955,2935 P1.1
NetP1_2: P1.2 U4.4 | length 904.1
  Top Layer w15: U4.4 4855,2935 P1.2
NetP1_3: P1.3 U4.6 | length 904.1
  Top Layer w15: U4.6 4755,2935 P1.3
NetP1_4: P1.4 U4.8 | length 904.1
  Top Layer w15: U4.8 4655,2615 4715,2675 4715,2995 P1.4
NetQ1_1: Q1.1 R1.2 | length 324.9
  Top Layer w15: Q1.1@3190.24,2359.76 R1.2
NetQ2_1: Q2.1 R3.2 | length 612.5
  Top Layer w15: Q2.1 3551.73,2368.27 3765,2155 3765,2010 R3.2
NetQ3_1: Q3.1 R9.2 | length 528.2
  Top Layer w15: Q3.1@3850.24,2364.76 R9.2 ; R9.2@4125.81,2096.3 cw(c4119.58,2073.05) R9.2@4142.37,2080.81 ; 4110.13,2104.87 ccw(c4140,2134.75) 4140,2092.5 cw(c4140,2134.75) 4110.13,2104.87 ; R9.2@4122.2,2092.8 cw(c4109.39,2080) 4127.5,2080 ccw(c4109.39,2080) R9.2@4122.2,2092.8
NetQ4_1: Q4.1 R10.2 | length 589.5
  Top Layer w15: Q4.1 4180.24,2359.87 4420,2120.1 4420,1970 R10.2
NetQ5_1: Q5.1 R11.2 | length 359.7
  Top Layer w15: Q5.1 5201.73,2378.27 R11.2
NetQ6_1: Q6.1 R12.2 | length 618
  Top Layer w15: Q6.1 5628.5,2275 5695,2275 5765,2205 5765,2040 R12.2
NetQ7_1: Q7.1 R16.2 | length 474.7
  Top Layer w15: Q7.1 5958.5,2265 6075,2265 R16.2
NetQ8_1: Q8.1 R17.2 | length 652.1
  Top Layer w15: Q8.1 6295,2248.5 6401.5,2248.5 6445,2205 6445,2060 R17.2
NetR1_1: R1.1 U1.7 | length 249.5
  Top Layer w15: R1.1 3473.68,2103.68 3473.68,1967.86 3511.54,1930 U1.7
NetR3_1: R3.1 U1.5 | length 137.6
  Top Layer w15: U1.5 3665,1830 R3.1
NetR4_1: R4.1 U2.8 | length 228.5
  Bottom Layer w15: U2.8 4925.47,2205 R4.1 ; 5009.82,2205 ccw(c5009.82,2235.18) 5031.16,2213.84 cw(c5009.82,2235.18) 5009.82,2205 ; 5009.82,2205 cw(c5009.82,2174.82) 5031.16,2196.16 ccw(c5009.82,2174.82) 5009.82,2205
NetR7_2: R7.2 R8.2 U2.5 | length 879.2
  Bottom Layer w15: R7.2 4820,2225 4820,2292.48 4892.52,2365 U2.5 4930,2379.53 R8.2 ; 4874.66,2346.31 cw(c4898.44,2339.94) U2.5@4886.13,2361.27 ; U2.5@4919.64,2366.12 cw(c4943.42,2372.49) 4922.1,2384.8 ; 4930,2469.82 ccw(c4899.82,2469.82) 4921.16,2491.16 cw(c4899.82,2469.82) 4930,2469.82 ; 4930,2469.82 cw(c4960.18,2469.82) 4938.84,2491.16 ccw(c4960.18,2469.82) 4930,2469.82 ; 4870.57,2343.05 ccw(c4848.62,2365) 4879.66,2365 cw(c4848.62,2365) 4870.57,2343.05 ; U2.5@4912.42,2368.05 ccw(c4869.99,2410.48) 4930,2410.48 cw(c4869.99,2410.48) U2.5@4912.42,2368.05 ; U2.5@4923.03,2357.44 ccw(c4906.2,2374.27) 4930,2374.27 cw(c4906.2,2374.27) U2.5@4923.03,2357.44
NetR9_1: R9.1 U3.7 | length 329.5
  Top Layer w15: R9.1@4205.81,2053.7 ccw(c4199.58,2076.95) R9.1@4222.37,2069.19 ; U3.7 4191.54,1930 4153.68,1967.86 4153.68,2008.68 R9.1 ; 4190.13,2045.13 cw(c4220,2015.25) 4220,2057.5 ccw(c4220,2015.25) 4190.13,2045.13 ; R9.1@4202.2,2057.2 ccw(c4189.39,2070) 4207.5,2070 cw(c4189.39,2070) R9.1@4202.2,2057.2
NetR10_1: R10.1 U3.5 | length 142.6
  Top Layer w15: U3.5 4350,1830 R10.1
NetR11_1: R11.1 U5.7 | length 216.1
  Top Layer w15: U5.7 5506.54,1975 5468.68,2012.86 5468.68,2058.68 R11.1
NetR12_1: R12.1 U5.5 | length 141.7
  Top Layer w15: U5.5 5650,1875 R12.1
NetR16_1: R16.1 U6.7 | length 307
  Top Layer w15: R16.1 6135,2001.54 6181.54,1955 U6.7 ; 6135,2089.82 ccw(c6104.82,2089.82) 6126.16,2111.16 cw(c6104.82,2089.82) 6135,2089.82 ; 6135,2089.82 cw(c6165.18,2089.82) 6143.84,2111.16 ccw(c6165.18,2089.82) 6135,2089.82
NetR17_1: R17.1 U6.5 | length 129.7
  Top Layer w15: U6.5 6320,1855 R17.1
VBAT: C5.1 D2.1 D9.1 D12.1 D19.1 H1.2 Q1.2 Q3.2 Q5.2 Q7.2 R2.2 R15.1 U2.6 | length 7265.7
  Top Layer w15: D2.1 3835,2900 3850,2885 ; D9.1 4210,3290 R15.1 4400,3370 H1.2 ; v1(5190,2625) Q5.2@5195,2630 ; 5445,2885 5425,2905 D12.1 D19.1 ; 3835,2979.82 ccw(c3804.82,2979.82) 3826.16,3001.16 cw(c3804.82,2979.82) 3835,2979.82 ; 3835,2979.82 cw(c3865.18,2979.82) 3843.84,3001.16 ccw(c3865.18,2979.82) 3835,2979.82 ; 4210,3120.18 ccw(c4240.18,3120.18) 4218.84,3098.84 cw(c4240.18,3120.18) 4210,3120.18 ; 4210,3120.18 cw(c4179.82,3120.18) 4201.16,3098.84 ccw(c4179.82,3120.18) 4210,3120.18 ; 4320.18,3370 ccw(c4320.18,3339.82) 4298.84,3361.16 cw(c4320.18,3339.82) 4320.18,3370 ; 4320.18,3370 cw(c4320.18,3400.18) 4298.84,3378.84 ccw(c4320.18,3400.18) 4320.18,3370 ; 5425,2979.82 ccw(c5394.82,2979.82) 5416.16,3001.16 cw(c5394.82,2979.82) 5425,2979.82 ; 5425,2979.82 cw(c5455.18,2979.82) 5433.84,3001.16 ccw(c5455.18,2979.82) 5425,2979.82 ; 5460.18,3010 ccw(c5460.18,2979.82) 5438.84,3001.16 cw(c5460.18,2979.82) 5460.18,3010 ; 5460.18,3010 cw(c5460.18,3040.18) 5438.84,3018.84 ccw(c5460.18,3040.18) 5460.18,3010 ; 5619.82,3010 ccw(c5619.82,3040.18) 5641.16,3018.84 cw(c5619.82,3040.18) 5619.82,3010 ; 5619.82,3010 cw(c5619.82,2979.82) 5641.16,3001.16 ccw(c5619.82,2979.82) 5619.82,3010
  Top Layer w80: Q1.2 3280,2800 ; Q3.2 3940,2795 3850,2885 ; 4480,3230 5135,3230 5210,3155 5210,2740 Q5.2 5290,2730 5445,2885 5840,2885 5935,2790 Q7.2 ; H1.2 4480,2980 4385,2885 3850,2885 ; 3280,2800 ccw(c3332.17,2800) 3309.75,2752.89 cw(c3332.17,2800) 3280,2800 ; 3280,2800 cw(c3227.83,2800) 3250.25,2752.89 ccw(c3227.83,2800) 3280,2800 ; 3280,2800 3365,2885 3850,2885
  Bottom Layer w15: v1(4400,2875) 4432.5,2842.5 4432.5,2492.5 C5.1 ; U2.6 4938.42,2315 4976.28,2352.86 4976.28,2421.28 R2.2 5180,2625 v1(5190,2625)

## Keep-outs
Keep-Out Layer:
  lines w10: 3073.98,1744.11 4786.58,1744.11 6499.18,1744.11 6499.18,2984.26 5835,2984.26 5835,3574.82 6499.18,3574.82 6499.18,3830.72 5238.68,3830.72 4330.72,3830.72 3073.98,3830.72 3073.98,3574.82 3745,3574.82 3745,2984.26 3073.98,2984.26 3073.98,1744.11

## Other copper
Top Layer:
  text "Designed by WH" at 3360,3680 h50

## Silkscreen, mask and mechanical layers (free items; w line width, h text height)
Top Overlay:
  text "-" at 4260,3565 h30
  text "-" at 4195,3155 h30 r180
  text "-" at 5790,3140 h30 r180
  text "-" at 3900,3120 h30
  text "-" at 5335,3120 h30
  text "-" at 4300,2975 h30 r180
  text "-" at 5645,2975 h30 r180
  text "-" at 5445,2950 h30
  text "-" at 3800,2945 h30
  text "+" at 4785,2835 h30
  text "-" at 5345,2165 h30 r270
  text "-" at 3320,2150 h30 r270
  text "-" at 6055,2135 h30 r90
  text "-" at 4050,2085 h30 r90
Bottom Overlay:
  text "-" at 4565,2020 h30 r180
Top Paste:
  lines w30: 3245,2210 3210,2175 3210,2130 3210,1980 3345.51,1980 3405,1980 3425,1960 3425,1905 3400,1880 3345.51,1880 ; 3880,2175 3905,2150 3905,2075 3905,1975 ; 3899.49,1980 4015,1980 ; 4025.51,1880 4085,1880 4105,1900 4105,1965 4090,1980 4025.51,1980 ; 4475,2055 4475,2750 ; 4640,2890 4640,3020 4690,3070 ; 5005,1948.19 5063.19,1948.19 5093.19,1978.19 5093.19,2841.81 ; 5230,2195 5230,2125 5200,2095 5200,2000 5225,2025 5340.51,2025 5395,2025 5425,1995 5425,1955 ; 5340.51,1925 5395,1925 ; 5890,2195 5915,2170 5915,2120 5915,2020 ; 5905,2005 6020.51,2005 ; 6015,2005 6074.49,2005 ; 6015.51,1905 6070,1905 6100,1935 6100,1980 6075,2005
  lines w80: 3280,2650 3280,2800 3365,2885 3850,2885 ; 3372.5,2377.5 3610,2615 ; 3940,2795 3850,2885 ; 4029.76,2373.51 4270,2613.74 ; 4480,3230 5135,3230 5210,3155 5210,2740 ; 4480,3450 4480,2980 4385,2885 3850,2885 ; 5285,2725 5440,2880 ; 5379.76,2388.51 5615,2623.74 ; 5445,2885 5840,2885 5935,2790 5935,2660 ; 6024.76,2383.51 6260,2618.74
Bottom Paste:
  lines w30: 3250,2210 3845,2210 3880,2175 4235,2175 4360,2050 4470,2050 4545,2050 4545,2015 4565,1995 4715,1995 4740,2020 4740,2065 4815,2140 5175,2140 5245,2210 5875,2210 ; 4475,2750 4505,2780 4806.57,2780 ; 4690,3070 4855,2905 5020,2905 5085,2840
  lines w80: 3657.5,2742.5 3835,2920 3835,3425 ; 4050,3440 4050,2935 4255,2730 ; 5490,3455 5490,2820 5580,2730 ; 5690,3455 5690,3046.37 5841.37,2895 6125,2895 6250,2770
Top Solder:
  lines w30: 3245,2210 3210,2175 3210,2130 3210,1980 3345.51,1980 3405,1980 3425,1960 3425,1905 3400,1880 3345.51,1880 ; 3880,2175 3905,2150 3905,2075 3905,1975 ; 3904.49,1980 4020,1980 ; 4025.51,1880 4085,1880 4105,1900 4105,1965 4090,1980 4025.51,1980 ; 4475,2055 4475,2750 ; 4640,2890 4640,3020 4690,3070 ; 5005,1948.19 5063.19,1948.19 5093.19,1978.19 5093.19,2841.81 ; 5225,2025 5200,2000 5200,2095 5230,2125 5230,2195 ; 5240,2025 5355.51,2025 ; 5340.51,1925 5395,1925 ; 5340.51,2025 5395,2025 5425,1995 5425,1955 ; 5890,2195 5915,2170 5915,2120 5915,2020 ; 5905,2005 6020.51,2005 6075,2005 6100,1980 6100,1935 6070,1905 6020,1905
  lines w80: 3280,2650 3280,2800 3365,2885 ; 3372.5,2377.5 3610,2615 ; 3375,2885 3860,2885 ; 3940,2795 3850,2885 4385,2885 ; 4029.76,2373.51 4270,2613.74 ; 4380,2880 4475,2975 ; 4480,2980 4480,3450 ; 4480,3230 5135,3230 5210,3155 5210,2740 ; 5290,2730 5445,2885 5840,2885 5935,2790 5935,2660 ; 5379.76,2388.51 5615,2623.74 ; 6024.76,2383.51 6260,2618.74
Bottom Solder:
  lines w30: 3250,2210 3845,2210 3880,2175 4235,2175 4360,2050 4470,2050 4545,2050 4545,2015 4565,1995 4715,1995 4740,2020 4740,2065 4815,2140 5175,2140 5245,2210 5875,2210 ; 4475,2750 4505,2780 4806.57,2780 ; 4690,3070 4855,2905 5020,2905 5085,2840
  lines w80: 3652.5,2737.5 3830,2915 ; 3835,2920 3835,3425 ; 4050,3440 4050,2935 4255,2730 ; 5490,3455 5490,2820 5580,2730 ; 5690,3455 5690,3046.37 5841.37,2895 6125,2895 6250,2770